# Altium PCB ASM001-design.PcbDoc (part 2 of 2)
Units mm, origin at the board's own origin, x right, y up, seen from the top; angles counter-clockwise.
Board outline 100 x 100 mm, 6 copper layers (L0, L2, L4, L6, L8, L10), stack 1.538 mm thick; 65 components, 48 nets, 529 pads, 2 vias.
Unrouted connection lines stored in the file: 163.
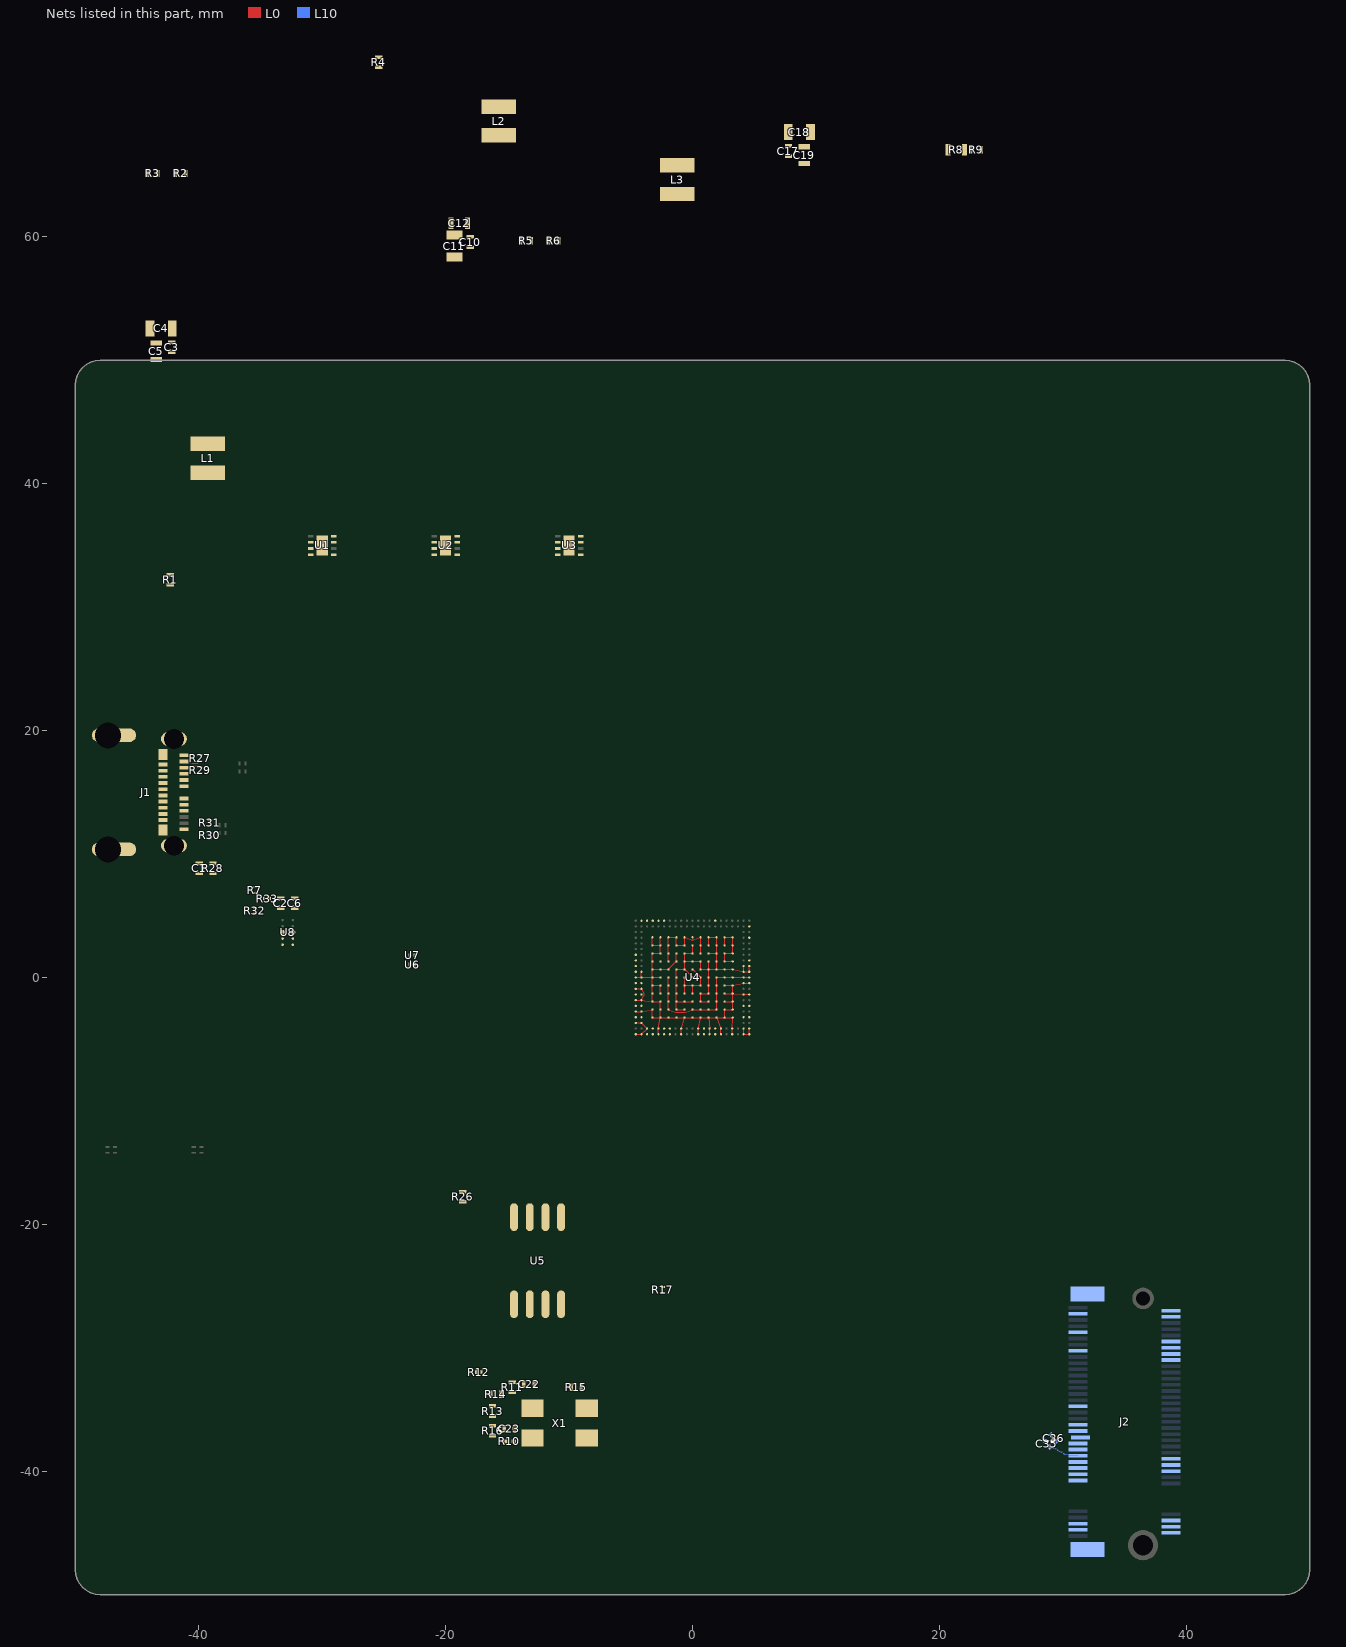
[diagram p5: the nets of this part, all layers, seen from the top]

## Part data (continued)
R10: Manufacturer=YAGEO, Maximum Power=0.05W, MPN=RC0201JR-070RL, Resistance=0R, Datasheet=https://www.lcsc.com/datasheet/lcsc_datasheet_2304140030_YAGEO-RC0201JR-070RL_C106228.pdf, Reference=false
R11 R14 R15 R16: case=0402, Manufacturer=VO, manufacturer_aliases="[\"VO\"]", MPN=SCR0402F4K7, mpn_aliases="[\"SCR0402F4K7\"]", Resistance=4700.0, resistor=true, Tolerance="Toleranced(4653.0 <= 4700.0 <= 4747.0)", vendor_part_numbers.lcsc=C3015810, area=0.5, category=resistor, cofactr_id=RC99FREJ1KLN, Datasheet=https://wmsc.lcsc.com/wmsc/upload/file/pdf/v2/lcsc/2206021130_VO-SCR0402F4K7_C3015810.pdf, metadata.description="±1% 4.7kΩ 0402  Chip Resistor - Surface Mount ROHS", minimum_quantity=20, mounting=smd, Price=0.000405797, query-properties="[\"case\" => [\"0201\" \"0402\"] \"resistance\" => 4700.0 \"tolerance\" => 0.01 \"category\" => \"resistor\" \"mounting\" => \"smd\" \"min-stock\" => 1 \"_sellers\" => [\"JLCPCB\"]]", Reference=false, reference_prefix=R, stock=1006, trust=low, x=0.5, y=1.0
R12: case=0201, Manufacturer=Sunway, manufacturer_aliases="[\"Sunway\"]", Maximum Power=0.05W, MPN=SC0201F1003G1BNRH, mpn_aliases="[\"SC0201F1003G1BNRH\"]", rated-power=0.05, Resistance=100000.0, resistor=true, Tolerance="Toleranced(99000.0 <= 100000.0 <= 101000.0)", vendor_part_numbers.lcsc=C3152012, area=0.18, category=resistor, Datasheet=https://datasheet.lcsc.com/lcsc/2207281830_Sunway-SC0201F1003G1BNRH_C3152012.pdf, metadata.description="50mW ±1% ±200ppm/℃ 100kΩ 0201  Chip Resistor - Surface Mount ROHS", minimum_quantity=20, mounting=smd, Price=0.000463768, query-properties="[\"case\" => [\"0201\" \"0402\"] \"resistance\" => 100000.0 \"tolerance\" => 0.01 \"category\" => \"resistor\" \"mounting\" => \"smd\" \"min-stock\" => 1 \"_sellers\" => [\"JLCPCB\"]]", Reference=false, reference_prefix=R, stock=11487, trust=low, x=0.3, y=0.6
R13: case=0402, Manufacturer="Walsin Technology Corporation", manufacturer_aliases="[\"Walsin Technology Corporation\"]", Maximum Power=0.063W, metadata.supplier-device-package=402, MPN=WR04X1212FTL, mpn_aliases="[\"WR04X1212FTL\"]", rated-power=0.063, rated-temperature="Toleranced(-55.0 <= 50.0 <= 155.0)", Resistance=12100.0, resistor=true, Tolerance="Toleranced(11979.0 <= 12100.0 <= 12221.0)", area=0.5, category=resistor, cofactr_id=XX5RG112LRR9, Composition=thick-film, Datasheet=https://www.lcsc.com/datasheet/lcsc_datasheet_2304140030_Walsin-Tech-Corp-WR04X1212FTL_C168199.pdf, metadata.description="62.5mW Thick Film Resistors ±100ppm/℃ ±1% 12.1kΩ 0402  Chip Resistor - Surface Mount ROHS", metadata.number-of-terminations=2.0, metadata.packaging="Tape & Reel (TR)", minimum_quantity=20, mounting=smd, Price=0.000362319, query-properties="[\"tolerance\" => 0.01 \"case\" => [\"0201\" \"0402\"] \"resistance\" => 12100.0 \"category\" => \"resistor\" \"mounting\" => \"smd\" \"min-stock\" => 1 \"_sellers\" => [\"JLCPCB\"]]", Reference=false, reference_prefix=R, stock=3370, TCR="[-0.0001 0.0001]", trust=low, Type=chip, vendor_part_numbers.digi-key=1292-WR04X1212FTLTR-ND, vendor_part_numbers.lcsc=C168199, x=0.5, y=1.0
TXT1: Manufacturer=non-BOM, MPN="ASM2464PDX 4x M.2 board | Version 0.2 2025-02-07", rated-temperature=false, Reference=false
U1 U2 U3: Manufacturer="Texas Instruments", MPN=TPS62082DSG, adjustable=false, Datasheet=https://www.ti.com/lit/ds/symlink/tps62080.pdf, I-LIM="Toleranced(1.6 <= 2.8 <= 4.0)", I-REF="Toleranced(1.0e-008 <= 1.0e-008 <= 1.0e-007)", R-Discharge="Toleranced(1000.0 <= 1000.0 <= 1000.0)", Reference=false, V-REF="Toleranced(0.438 <= 0.45 <= 0.462)", Vin-MAX=6.0, Vin-MIN=2.3, Vout-MAX=4.0, Vout-MIN=0.5
U4: MPN=ASM2464PDX, Reference=false
U5: case=SOIC-8-208mil, Manufacturer=Winbond, manufacturer_aliases="[\"Winbond Elec\"]", MPN=W25Q32JVSSIQ, mpn_aliases="[\"W25Q32JVSSIQ\"]", area=51.113, category=ic, cofactr_id=XX0QC6Y2U3XH, Datasheet=https://www.lcsc.com/datasheet/lcsc_datasheet_1811101814_Winbond-Elec-W25Q32JVSSIQ_C82344.pdf, mounting=through-hole, Reference=false, reference_prefix=U, trust=low, x=5.43, y=9.413
U6 U7: case=WLL-2-3, Manufacturer=Infineon, manufacturer_aliases="[\"Infineon Technologies\"]", MPN="ESD132-B1-W0201 E6327", mpn_aliases="[\"ESD132-B1-W0201 E6327\"]", area=0.84, category=ic, cofactr_id=XXRARWCT0RJE, Datasheet=https://www.lcsc.com/datasheet/lcsc_datasheet_2005291706_Infineon-Technologies-ESD132-B1-W0201-E6327_C535164.pdf, Reference=false, reference_prefix=U, trust=low, x=1.102, y=0.762
U8: Manufacturer="Texas Instruments", MPN=ESD224DQAR, num-dp-chs=2, num-single-chs=4, Reference=false
X1: case=SMD6036-4P, Manufacturer=ABRACON, manufacturer_aliases="[\"Abracon LLC\"]", MPN=ABMM2-25.000MHZ-D1-T, mpn_aliases="[\"ABMM2-25.000MHZ-D1-T\"]", area=24.584, category=resonator, cofactr_id=OSDU487NIJMB, Datasheet=https://wmsc.lcsc.com/wmsc/upload/file/pdf/v2/lcsc/2304140030_Abracon-LLC-ABMM2-25-000MHZ-D1-T_C1985419.pdf, mounting=smd, Reference=false, reference_prefix=X, trust=low, x=6.302, y=3.901

## Via types
v1: diameter 0.45, hole 0.3, L0 to L10, tented both sides, 2 vias

## Nets (pads, with @x,y where several pads share a name; then routed paths per layer and width w, separated by ;. In a path a pad name is that pad's centre, name@x,y a point inside that pad or via, vN(x,y) a via of type N, cw(c..) or ccw(c..) an arc to the next point about the centre after c; other vN are vias at no path point)
asm2464pdx_usb-c_data_N: J1.A7 J1.B7 U4.M2 U7.1 U7.2 U8.5 U8.6
asm2464pdx_usb-c_data_P: J1.A6 J1.B6 U4.M1 U6.1 U6.2 U8.4 U8.7
asm2464pdx_usb-c_lane0_RX_N: J1.B10 R7.1 U4.P2
asm2464pdx_usb-c_lane0_RX_P: J1.B11 R17.1 U4.P1
asm2464pdx_usb-c_lane0_TX_N: J1.A3 R29.1 U4.T2 | length 1.3
  L0 w0.09: J1.A3@-41.203,17 -41.03,17 -40.527,17.156 ; -40.462,17.16 -40.118,17.16 -40.024,17.066 -39.912,17.066 R29.1@-39.878,17.032
asm2464pdx_usb-c_lane0_TX_P: J1.A2 R27.1 U4.T1 | length 1.5
  L0 w0.09: J1.A2@-41.203,17.5 -41.03,17.5 -40.549,17.351 -40.522,17.347 -40.075,17.347 -39.998,17.424 -39.998,17.51 -39.964,17.544 R27.1@-39.878,17.544
asm2464pdx_usb-c_lane1_RX_N: J1.B3 R33.1 U4.V1
asm2464pdx_usb-c_lane1_RX_P: J1.B2 R32.1 U4.V2
FB: R5.2 R6.1 U2.4
IC_SW_FB: R8.2 R9.1 U3.4
NetC1_1: C1.1 J1.M1 J1.M2 J1.M3 J1.M4 R28.1
NetC1_2: C1.2 C2.2 C3.1 C3.2 C4.1 C4.2 C5.1 C5.2 C6.2 C10.1 C10.2 C11.1 C11.2 C12.1 C12.2 C17.1 C17.2 C18.1 C18.2 C19.1 C19.2 C22.2 J1.A1 J1.A4 J1.A9 J1.A12 J1.B1 J1.B4 J1.B9 J1.B12 J2.3 J2.9 J2.15 J2.33 J2.39 J2.45 J2.51 J2.57 J2.71 J2.73 J2.MP1 J2.MP2 L1.a L2.a L3.a R1.2 R2.1 R3.2 R4.2 R5.1 R6.2 R7.2 R8.1 R9.2 R10.1 R11.2 R12.2 R13.2 R14.2 R15.2 R16.2 R17.2 R26.2 R27.2 R28.2 R29.2 R30.2 R31.2 R32.2 R33.2 U1.2 U1.5 U1.8 U1.9 U2.2 U2.5 U2.8 U2.9 U3.2 U3.5 U3.8 U3.9 U4.AA1 U4.AA2 U4.AA5 U4.AA9 U4.AA12 U4.AA14 U4.AA16 U4.AA18 U4.AA20 U4.AA21 U4.D4 U4.D5 U4.D6 U4.D8 U4.D9 U4.D11 U4.D13 U4.D14 U4.D16 U4.D17 U4.D18 U4.E4 U4.E5 U4.E6 U4.E8 U4.E9 U4.E11 U4.E13 U4.E14 U4.E16 U4.E17 U4.E18 U4.F4 U4.F5 U4.F6 U4.F8 U4.F9 U4.F11 U4.F13 U4.F14 U4.F16 U4.F17 U4.F18 U4.G1 U4.H4 U4.H6 U4.H8 U4.H9 U4.H11 U4.H13 U4.H14 U4.H16 U4.H17 U4.H18 U4.J4 U4.J5 U4.J6 U4.J8 U4.J9 U4.J11 U4.J13 U4.J14 U4.J16 U4.J17 U4.J18 U4.J20 U4.J21 U4.K2 U4.K20 U4.K21 U4.L1 U4.L2 U4.L4 U4.L5 U4.L6 U4.L8 U4.L9 U4.L11 U4.L13 U4.L14 U4.L16 U4.L17 U4.L18 U4.L20 U4.L21 U4.M20 U4.M21 U4.N1 U4.N2 U4.N4 U4.N5 U4.N6 U4.N8 U4.N9 U4.N11 U4.N13 U4.N14 U4.N16 U4.N17 U4.N18 U4.P4 U4.P5 U4.P6 U4.P8 U4.P9 U4.P11 U4.P13 U4.P14 U4.P16 U4.P17 U4.P18 U4.P20 U4.P21 U4.R1 U4.R2 U4.T4 U4.T5 U4.T6 U4.T8 U4.T9 U4.T11 U4.T13 U4.T14 U4.T16 U4.T17 U4.T18 U4.T20 U4.T21 U4.U1 U4.U2 U4.U4 U4.U5 U4.U6 U4.U8 U4.U9 U4.U11 U4.U13 U4.U14 U4.U16 U4.U17 U4.U18 U4.V4 U4.V5 U4.V6 U4.V8 U4.V9 U4.V11 U4.V13 U4.V14 U4.V16 U4.V17 U4.V18 U4.V20 U4.V21 U4.W1 U4.W2 U4.Y3 U4.Y5 U4.Y9 U4.Y12 U4.Y14 U4.Y16 U4.Y18 U4.Y20 U4.Y21 U5.4 U5.8 U8.3 U8.8 X1.2 X1.4 | length 100.6
  L0 w0.09: U4.AA1@-4.6,-4.6 U4.AA2@-4.14,-4.6 U4.Y3@-3.68,-4.14 U4.W2@-4.14,-3.68 U4.W1@-4.6,-3.68 ; U4.U1@-4.6,-2.76 U4.U2@-4.14,-2.76 U4.U4@-3.25,-2.6 U4.V4@-3.25,-3.25 U4.V5@-2.6,-3.25 ; U4.R1@-4.6,-1.84 U4.R2@-4.14,-1.84 ; U4.N1@-4.6,-0.92 U4.N2@-4.14,-0.92 -3.944,-1.27 cw(c-4.14,-1.38) -3.944,-1.49 U4.R2@-4.14,-1.84 ; U4.L1@-4.6,0 U4.L2@-4.14,0 ; U4.K2@-4.14,0.46 U4.L2@-4.14,0 ; U4.D4@-3.25,3.25 U4.E4@-3.25,2.6 U4.E5@-2.6,2.6 ; U4.AA5@-2.76,-4.6 U4.Y5@-2.76,-4.14 U4.V5@-2.6,-3.25 ; U4.P5@-2.6,-1.3 U4.N5@-2.6,-0.65 U4.N4@-3.25,-0.65 ; U4.L5@-2.6,0 U4.L4@-3.25,0 ; U4.D5@-2.6,3.25 U4.E5@-2.6,2.6 ; U4.L6@-1.95,0 U4.N6@-1.95,-0.65 U4.P6@-1.95,-1.3 U4.T6@-1.95,-1.95 U4.U6@-1.95,-2.6 -1.378,-2.811 ccw(c-1.3,-2.6) -1.3,-2.825 -0.65,-2.825 ccw(c-0.65,-2.6) -0.572,-2.811 U4.U11@0,-2.6 U4.U13@0.65,-2.6 U4.U14@1.3,-2.6 U4.U16@1.95,-2.6 U4.T16@1.95,-1.95 U4.P16@1.95,-1.3 U4.N16@1.95,-0.65 U4.L16@1.95,0 U4.L17@2.6,0 U4.L18@3.25,0 U4.L20@4.14,0 U4.L21@4.6,0 ; U4.H6@-1.95,1.3 U4.F6@-1.95,1.95 U4.E6@-1.95,2.6 U4.D6@-1.95,3.25 U4.D8@-1.3,3.25 U4.E8@-1.3,2.6 U4.E9@-0.65,2.6 U4.D9@-0.65,3.25 -0.078,3.039 ccw(c0,3.25) 0.078,3.039 U4.D13@0.65,3.25 U4.E13@0.65,2.6 U4.F13@0.65,1.95 ; U4.F8@-1.3,1.95 U4.H8@-1.3,1.3 U4.J6@-1.95,0.65 U4.J5@-2.6,0.65 U4.J4@-3.25,0.65 ; U4.AA9@-0.92,-4.6 U4.Y9@-0.92,-4.14 U4.V9@-0.65,-3.25 ; U4.U9@-0.65,-2.6 U4.U8@-1.3,-2.6 U4.T8@-1.3,-1.95 ; U4.P9@-0.65,-1.3 U4.N9@-0.65,-0.65 ; U4.L9@-0.65,0 U4.N9@-0.65,-0.65 ; U4.T11@0,-1.95 U4.T9@-0.65,-1.95 U4.T8@-1.3,-1.95 ; U4.P11@0,-1.3 U4.N11@0,-0.65 ; U4.L11@0,0 U4.J9@-0.65,0.65 ; U4.J11@0,0.65 U4.L13@0.65,0 U4.N13@0.65,-0.65 U4.N11@0,-0.65 ; U4.E11@0,2.6 U4.F11@0,1.95 U4.F9@-0.65,1.95 U4.H9@-0.65,1.3 ; U4.AA12@0.46,-4.6 U4.Y12@0.46,-4.14 U4.V13@0.65,-3.25 ; U4.T14@1.3,-1.95 U4.T13@0.65,-1.95 U4.P13@0.65,-1.3 U4.P14@1.3,-1.3 U4.N14@1.3,-0.65 U4.L14@1.3,0 U4.J14@1.3,0.65 ; U4.H14@1.3,1.3 U4.J14@1.3,0.65 ; U4.F14@1.3,1.95 U4.F16@1.95,1.95 ; U4.E14@1.3,2.6 U4.D14@1.3,3.25 U4.D16@1.95,3.25 U4.E16@1.95,2.6 U4.F16@1.95,1.95 ; U4.AA14@1.38,-4.6 U4.Y14@1.38,-4.14 U4.V14@1.3,-3.25 ; U4.AA16@2.3,-4.6 U4.Y16@2.3,-4.14 U4.V16@1.95,-3.25 ; U4.T17@2.6,-1.95 U4.T18@3.25,-1.95 ; U4.P17@2.6,-1.3 U4.P18@3.25,-1.3 ; U4.N17@2.6,-0.65 U4.N18@3.25,-0.65 ; U4.E17@2.6,2.6 U4.D17@2.6,3.25 U4.D18@3.25,3.25 U4.E18@3.25,2.6 U4.F18@3.25,1.95 U4.F17@2.6,1.95 U4.H17@2.6,1.3 U4.H18@3.25,1.3 ; U4.AA18@3.22,-4.6 U4.Y18@3.22,-4.14 U4.V18@3.25,-3.25 U4.V17@2.6,-3.25 ; U4.Y20@4.14,-4.14 U4.AA20@4.14,-4.6 U4.AA21@4.6,-4.6 U4.Y21@4.6,-4.14 ; U4.J20@4.14,0.92 U4.K20@4.14,0.46 ; U4.P21@4.6,-1.38 U4.P20@4.14,-1.38 U4.P18@3.25,-1.3 ; U4.M21@4.6,-0.46 U4.M20@4.14,-0.46 U4.N18@3.25,-0.65 ; U4.J21@4.6,0.92 U4.K21@4.6,0.46 U4.K20@4.14,0.46 ; U4.R2@-4.14,-1.84 U4.T4@-3.25,-1.95 ; U4.L2@-4.14,0 U4.L4@-3.25,0 ; U4.T4@-3.25,-1.95 U4.T5@-2.6,-1.95 U4.U5@-2.6,-2.6 U4.V5@-2.6,-3.25 ; U4.T4@-3.25,-1.95 U4.P4@-3.25,-1.3 U4.N4@-3.25,-0.65 ; U4.N4@-3.25,-0.65 U4.L4@-3.25,0 ; U4.L4@-3.25,0 U4.J4@-3.25,0.65 ; U4.J4@-3.25,0.65 U4.H4@-3.25,1.3 U4.F4@-3.25,1.95 U4.F5@-2.6,1.95 U4.E5@-2.6,2.6 ; U4.V5@-2.6,-3.25 U4.V6@-1.95,-3.25 U4.V8@-1.3,-3.25 U4.V9@-0.65,-3.25 ; U4.T8@-1.3,-1.95 U4.P8@-1.3,-1.3 U4.N8@-1.3,-0.65 U4.L8@-1.3,0 U4.J8@-1.3,0.65 U4.J9@-0.65,0.65 ; U4.V9@-0.65,-3.25 U4.V11@0,-3.25 U4.V13@0.65,-3.25 ; U4.N9@-0.65,-0.65 U4.N11@0,-0.65 ; U4.J9@-0.65,0.65 U4.H9@-0.65,1.3 ; U4.H9@-0.65,1.3 U4.H11@0,1.3 U4.H13@0.65,1.3 U4.J13@0.65,0.65 U4.J14@1.3,0.65 ; U4.V13@0.65,-3.25 U4.V14@1.3,-3.25 ; U4.V14@1.3,-3.25 U4.V16@1.95,-3.25 ; U4.J14@1.3,0.65 U4.J16@1.95,0.65 ; U4.V16@1.95,-3.25 U4.V17@2.6,-3.25 ; U4.J16@1.95,0.65 U4.H16@1.95,1.3 U4.F16@1.95,1.95 ; U4.J16@1.95,0.65 U4.J17@2.6,0.65 U4.J18@3.25,0.65 U4.K20@4.14,0.46 ; U4.V17@2.6,-3.25 U4.U17@2.6,-2.6 U4.U18@3.25,-2.6 U4.T18@3.25,-1.95 ; U4.T18@3.25,-1.95 U4.P18@3.25,-1.3 ; U4.P18@3.25,-1.3 U4.N18@3.25,-0.65
NetC2_1: C2.1 J1.A5 U4.AA6
NetC6_1: C6.1 J1.B5 U4.Y6
NetC22_1: C22.1 R12.1 U4.H1
NetC23_1: C23.1 U4.AA4 X1.1
NetC23_2: C23.2 U4.Y4 X1.3
NetC35_1: C35.1 U4.Y15 | length 0.5
  L10 w0.09: 28.48,-37.081 cw(c28.41,-37.138) 28.5,-37.138 C35.1@28.499,-37.531
NetC36_1: C36.1 U4.AA15 | length 0.5
  L10 w0.09: 28.618,-36.965 ccw(c28.686,-36.907) 28.671,-36.995 C36.1@29.058,-37.062
NetJ1_A8: J1.A8 U4.K1
NetJ1_B8: J1.B8 U4.J1
NetJ2_50: J2.50 U4.D21
NetJ2_52: J2.52 U4.A15
NetJ2_53: J2.53 U4.Y7
NetJ2_54: J2.54 U4.A6
NetJ2_55: J2.55 U4.AA7
NetR1_1: R1.1 U3.3
NetR4_1: R4.1 U2.3
NetR10_2: R10.2 U4.H5
NetR11_1: R11.1 U4.B21
NetR13_1: R13.1 U4.AA3
NetR14_1: R14.1 U4.H21
NetR15_1: R15.1 U5.3
NetR16_1: R16.1 U5.7
NetR26_1: R26.1 U1.3
NetU4_A2: U4.A2 U5.1
NetU4_A3: U4.A3 U5.2
NetU4_A4: U4.A4 U5.5
NetU4_A5: U4.A5 U5.6
NetU4_AA13: U4.AA13
src-ep1_data_lane0_RX_P: J2.41 U4.Y13
SW-NODE: L3.c U3.7
SW-NODE1: L1.c U1.7
SW-NODE2: L2.c U2.7
SW_FB: R2.2 R3.1 U1.4
V_3V3: J2.2 J2.4 J2.12 J2.14 J2.16 J2.18 J2.70 J2.72 J2.74
X_B_N: C36.2 J2.43
X_B_P: C35.2 J2.47 J2.49 | length 2.2
  L10 w0.09: C35.2@28.931,-38.046 29.42,-38.192 cw(c29.395,-38.278) 29.452,-38.209 ; 29.53,-38.274 ccw(c29.703,-38.067) 29.599,-38.316 29.924,-38.451 cw(c29.889,-38.534) 29.953,-38.47 ; 30.026,-38.543 ccw(c30.215,-38.35) 30.181,-38.618 J2.49@31.225,-38.75
pads on no net: C7.1 C7.2 C8.1 C8.2 C9.1 C9.2 C13.1 C13.2 C14.1 C14.2 C15.1 C15.2 C16.1 C16.2 C20.1 C20.2 J1.A10 J1.A11 J2.1 J2.5 J2.6 J2.7 J2.8 J2.10 J2.11 J2.13 J2.17 J2.19 J2.20 J2.21 J2.22 J2.23 J2.24 J2.25 J2.26 J2.27 J2.28 J2.29 J2.30 J2.31 J2.32 J2.34 J2.35 J2.36 J2.37 J2.38 J2.40 J2.42 J2.44 J2.46 J2.48 J2.56 J2.58 J2.67 J2.68 J2.69 J2.75 J2.MH1 J2.MH2 R30.1 R31.1 U1.1 U1.6 U2.1 U2.6 U3.1 U3.6 U4.A1 U4.A7 U4.A8 U4.A9 U4.A10 U4.A11 U4.A12 U4.A13 U4.A14 U4.A16 U4.A17 U4.A18 U4.A19 U4.A20 U4.A21 U4.AA8 U4.AA10 U4.AA11 U4.AA17 U4.AA19 U4.B1 U4.B2 U4.B3 U4.B4 U4.B5 U4.B6 U4.B7 U4.B8 U4.B9 U4.B10 U4.B11 U4.B12 U4.B13 U4.B14 U4.B15 U4.B16 U4.B17 U4.B18 U4.B19 U4.B20 U4.C1 U4.C2 U4.C20 U4.C21 U4.D1 U4.D2 U4.D20 U4.E1 U4.E2 U4.E20 U4.E21 U4.F1 U4.F2 U4.F20 U4.F21 U4.G2 U4.G20 U4.G21 U4.H2 U4.H20 U4.J2 U4.N20 U4.N21 U4.R20 U4.R21 U4.U20 U4.U21 U4.W20 U4.W21 U4.Y1 U4.Y2 U4.Y8 U4.Y10 U4.Y11 U4.Y17 U4.Y19 U8.1 U8.2 U8.9 U8.10
copper on no net: | length 95.4
  L0 w0.09: -41.203,13 -41.03,13 -40.527,12.844 ; -41.03,12.5 -40.527,12.656 cw(c-40.5,12.57) -40.501,12.66 ; -40.4,12.66 cw(c-40.4,12.57) -40.334,12.631 -39.763,12.01 ccw(c-39.565,12.193) -39.565,11.923 ; -40.399,12.84 cw(c-40.4,12.57) -40.201,12.753 -39.631,12.132 ccw(c-39.565,12.193) -39.565,12.103 ; -39.464,11.923 cw(c-39.465,11.833) -39.42,11.911 -39.12,11.739 -38.82,11.911 cw(c-38.775,11.833) -38.776,11.923 ; -39.464,12.103 ccw(c-39.465,12.193) -39.42,12.115 -39.12,12.287 -38.82,12.115 ccw(c-38.775,12.193) -38.776,12.103 ; -38.496,11.932 -38.455,11.932 -38.312,11.789 -38.312,11.704 ; -38.497,12.126 -38.434,12.126 -38.312,12.248 -38.312,12.334 ; -37.84,11.704 -37.644,11.902 cw(c-37.58,11.839) -37.58,11.929 ; -37.84,12.334 -37.84,12.248 -37.701,12.109 -37.633,12.109 ; -37.481,11.895 -37.447,11.895 -37.414,11.863 -22.89,11.863 ; -37.48,12.109 -37.416,12.109 -37.415,12.108 -37.409,12.108 -37.406,12.105 -37.402,12.105 -37.398,12.1 ; -37.397,12.1 -37.34,12.043 -22.824,12.043 ; -22.71,11.863 -6.562,-4.285 ; -22.697,12.17 -6.476,-4.051 -6.476,-4.112 ; -6.561,-4.285 -6.556,-4.29 -6.553,-4.29 -6.55,-4.293 -6.544,-4.293 -6.543,-4.294 -6.524,-4.294 -6.479,-4.339 ; -6.385,-4.107 -6.242,-4.107 cw(c-6.242,-4.197) -6.227,-4.109 -6.187,-4.116 ccw(c-6.171,-4.027) -6.173,-4.117 ; -6.299,-4.297 -4.609,-4.365 ccw(c-4.6,-4.14) -4.49,-4.336 -4.14,-4.14 ; -6.173,-4.117 -4.6,-4.14 ; 0,-4.6 0.432,-5.789 cw(c0.347,-5.82) 0.437,-5.819
  L0 w0.131: 25.533,-35.866 cw(c25.434,-35.927) 25.318,-35.917 25.326,-35.83 cw(c25.392,-35.835) 25.356,-35.779 25.585,-35.636 25.696,-35.566 cw(c25.785,-35.708) 25.701,-35.563 25.731,-35.546 cw(c25.764,-35.603) 25.774,-35.537 25.808,-35.542 cw(c25.785,-35.708) 25.857,-35.557 v1(26.987,-36.103) ; 25.73,-35.743 ccw(c25.828,-35.681) 25.759,-35.774 26.707,-36.48 ccw(c26.987,-36.103) 26.887,-36.562 v1(27.3,-36.652)
  L10 w0.09: 29.49,-37.577 29.537,-38.012 ccw(c29.626,-38.003) 29.568,-38.071 ; 29.645,-38.136 ccw(c29.703,-38.067) 29.668,-38.15 29.993,-38.285 cw(c29.889,-38.534) 30.08,-38.343 ; 30.151,-38.414 ccw(c30.215,-38.35) 30.231,-38.439 31.225,-38.25
  L10 w0.131: v1(26.987,-36.103) 27.367,-35.77 cw(c27.597,-36.032) 27.899,-35.858 27.9,-35.859 ; v1(27.3,-36.652) 27.433,-36.251 ccw(c26.987,-36.103) 27.448,-36.192 27.483,-36.01 cw(c27.597,-36.032) 27.698,-35.973

## Polygon pours and split planes (outlines as drawn)
no net on L0 "L0-No Net" (solid, pour order 20): 2.67,-4.665 2.794,-4.706 2.871,-4.6 2.794,-4.494 2.67,-4.535
NetC1_2 on L6 "L6-GND" (solid, pour order 23): -50,-48 -49.95,-48.445 -49.802,-48.868 -49.564,-49.247 -49.247,-49.564 -48.868,-49.802 -48.445,-49.95 -48,-50 48,-50 48.445,-49.95 48.868,-49.802 49.247,-49.564 49.564,-49.247 49.802,-48.868 49.95,-48.445 50,-48 50,48 49.95,48.445 49.802,48.868 49.564,49.247 49.247,49.564 48.868,49.802 48.445,49.95 48,50 -48,50 -48.445,49.95 -48.868,49.802 -49.247,49.564 -49.564,49.247 -49.802,48.868 -49.95,48.445 -50,48
NetC1_2 on L2 "L2-GND" (solid, pour order 22): -50,-48 -49.95,-48.445 -49.802,-48.868 -49.564,-49.247 -49.247,-49.564 -48.868,-49.802 -48.445,-49.95 -48,-50 48,-50 48.445,-49.95 48.868,-49.802 49.247,-49.564 49.564,-49.247 49.802,-48.868 49.95,-48.445 50,-48 50,48 49.95,48.445 49.802,48.868 49.564,49.247 49.247,49.564 48.868,49.802 48.445,49.95 48,50 -48,50 -48.445,49.95 -48.868,49.802 -49.247,49.564 -49.564,49.247 -49.802,48.868 -49.95,48.445 -50,48
NetC1_2 on L8 "L8-GND" (solid, pour order 21): -50,-48 -49.95,-48.445 -49.802,-48.868 -49.564,-49.247 -49.247,-49.564 -48.868,-49.802 -48.445,-49.95 -48,-50 48,-50 48.445,-49.95 48.868,-49.802 49.247,-49.564 49.564,-49.247 49.802,-48.868 49.95,-48.445 50,-48 50,48 49.95,48.445 49.802,48.868 49.564,49.247 49.247,49.564 48.868,49.802 48.445,49.95 48,50 -48,50 -48.445,49.95 -48.868,49.802 -49.247,49.564 -49.564,49.247 -49.802,48.868 -49.95,48.445 -50,48

## Other copper
L0:
  region: -38.573,11.884 -38.563,11.885 -38.554,11.887 -38.546,11.892 -38.539,11.898 -38.534,11.906 -38.53,11.915 -38.528,11.924 -38.528,11.933 -38.53,11.943 -38.534,11.951 -38.539,11.959 -38.546,11.965 -38.554,11.97 -38.563,11.973 -38.573,11.974 -38.673,11.974 -38.682,11.973 -38.691,11.97 -38.699,11.965 -38.706,11.959 -38.712,11.951 -38.715,11.943 -38.717,11.933 -38.717,11.924 -38.715,11.915 -38.712,11.906 -38.706,11.898 -38.699,11.892 -38.691,11.887 -38.682,11.885 -38.673,11.884
  region: 25.785,-35.708 25.75,-35.665 25.721,-35.63 25.714,-35.62 25.704,-35.612 25.693,-35.607 25.681,-35.603 25.669,-35.602 25.657,-35.604 25.645,-35.608 25.635,-35.615 25.626,-35.623 25.619,-35.634 25.614,-35.645 25.612,-35.657 25.613,-35.669 25.616,-35.681 25.621,-35.692 25.674,-35.777 25.682,-35.788 25.693,-35.797 25.705,-35.803 25.718,-35.807 25.732,-35.808 25.745,-35.806 25.758,-35.802 25.77,-35.794 25.78,-35.785 25.787,-35.773 25.792,-35.761 25.795,-35.747 25.794,-35.734 25.791,-35.72
  region: -37.58,11.884 -37.48,11.884 -37.471,11.885 -37.462,11.887 -37.453,11.892 -37.446,11.898 -37.441,11.906 -37.437,11.915 -37.435,11.924 -37.435,11.933 -37.437,11.943 -37.441,11.951 -37.446,11.959 -37.453,11.965 -37.462,11.97 -37.471,11.973 -37.48,11.974 -37.58,11.974 -37.589,11.973 -37.598,11.97 -37.606,11.965 -37.613,11.959 -37.619,11.951 -37.623,11.943 -37.625,11.933 -37.625,11.924 -37.623,11.915 -37.619,11.906 -37.613,11.898 -37.606,11.892 -37.598,11.887 -37.589,11.885
  region: -6.379,-4.339 -6.369,-4.338 -6.36,-4.335 -6.352,-4.33 -6.345,-4.324 -6.34,-4.316 -6.336,-4.308 -6.334,-4.299 -6.334,-4.289 -6.336,-4.28 -6.34,-4.271 -6.345,-4.264 -6.352,-4.257 -6.36,-4.253 -6.369,-4.25 -6.379,-4.249 -6.479,-4.249 -6.488,-4.25 -6.497,-4.253 -6.505,-4.257 -6.512,-4.264 -6.518,-4.271 -6.521,-4.28 -6.523,-4.289 -6.523,-4.299 -6.521,-4.308 -6.518,-4.316 -6.512,-4.324 -6.505,-4.33 -6.497,-4.335 -6.488,-4.338 -6.479,-4.339
  region: -38.775,11.878 -38.675,11.878 -38.666,11.879 -38.657,11.882 -38.649,11.887 -38.642,11.893 -38.636,11.901 -38.633,11.909 -38.631,11.918 -38.631,11.928 -38.633,11.937 -38.636,11.946 -38.642,11.953 -38.649,11.96 -38.657,11.964 -38.666,11.967 -38.675,11.968 -38.775,11.968 -38.785,11.967 -38.794,11.964 -38.802,11.96 -38.809,11.953 -38.814,11.946 -38.818,11.937 -38.82,11.928 -38.82,11.918 -38.818,11.909 -38.814,11.901 -38.809,11.893 -38.802,11.887 -38.794,11.882 -38.785,11.879
  region: -40.5,12.615 -40.4,12.615 -40.391,12.616 -40.382,12.619 -40.373,12.624 -40.366,12.63 -40.361,12.637 -40.357,12.646 -40.355,12.655 -40.355,12.665 -40.357,12.674 -40.361,12.682 -40.366,12.69 -40.373,12.696 -40.382,12.701 -40.391,12.704 -40.4,12.705 -40.5,12.705 -40.509,12.704 -40.518,12.701 -40.526,12.696 -40.533,12.69 -40.539,12.682 -40.543,12.674 -40.545,12.665 -40.545,12.655 -40.543,12.646 -40.539,12.637 -40.533,12.63 -40.526,12.624 -40.518,12.619 -40.509,12.616
  region: -39.465,11.878 -39.455,11.879 -39.446,11.882 -39.438,11.887 -39.431,11.893 -39.426,11.901 -39.422,11.909 -39.42,11.918 -39.42,11.928 -39.422,11.937 -39.426,11.946 -39.431,11.953 -39.438,11.96 -39.446,11.964 -39.455,11.967 -39.465,11.968 -39.565,11.968 -39.574,11.967 -39.583,11.964 -39.591,11.96 -39.598,11.953 -39.603,11.946 -39.607,11.937 -39.609,11.928 -39.609,11.918 -39.607,11.909 -39.603,11.901 -39.598,11.893 -39.591,11.887 -39.583,11.882 -39.574,11.879 -39.565,11.878
  region net asm2464pdx_usb-c_lane0_TX_N: -40.5,17.115 -40.4,17.115 -40.391,17.116 -40.382,17.119 -40.373,17.124 -40.366,17.13 -40.361,17.137 -40.357,17.146 -40.355,17.155 -40.355,17.165 -40.357,17.174 -40.361,17.182 -40.366,17.19 -40.373,17.196 -40.382,17.201 -40.391,17.204 -40.4,17.205 -40.5,17.205 -40.509,17.204 -40.518,17.201 -40.526,17.196 -40.533,17.19 -40.539,17.182 -40.543,17.174 -40.545,17.165 -40.545,17.155 -40.543,17.146 -40.539,17.137 -40.533,17.13 -40.526,17.124 -40.518,17.119 -40.509,17.116
  region: -37.58,12.154 -37.589,12.153 -37.598,12.15 -37.606,12.145 -37.613,12.139 -37.619,12.131 -37.623,12.123 -37.625,12.113 -37.625,12.104 -37.623,12.095 -37.619,12.086 -37.613,12.078 -37.606,12.072 -37.598,12.067 -37.589,12.065 -37.58,12.064 -37.48,12.064 -37.471,12.065 -37.462,12.067 -37.453,12.072 -37.446,12.078 -37.441,12.086 -37.437,12.095 -37.435,12.104 -37.435,12.113 -37.437,12.123 -37.441,12.131 -37.446,12.139 -37.453,12.145 -37.462,12.15 -37.471,12.153 -37.48,12.154
  region: -6.379,-4.069 -6.479,-4.069 -6.488,-4.07 -6.497,-4.073 -6.505,-4.077 -6.512,-4.084 -6.518,-4.091 -6.521,-4.1 -6.523,-4.109 -6.523,-4.119 -6.521,-4.128 -6.518,-4.136 -6.512,-4.144 -6.505,-4.15 -6.497,-4.155 -6.488,-4.158 -6.479,-4.159 -6.379,-4.159 -6.369,-4.158 -6.36,-4.155 -6.352,-4.15 -6.345,-4.144 -6.34,-4.136 -6.336,-4.128 -6.334,-4.119 -6.334,-4.109 -6.336,-4.1 -6.34,-4.091 -6.345,-4.084 -6.352,-4.077 -6.36,-4.073 -6.369,-4.07
  region: -38.775,12.148 -38.785,12.147 -38.794,12.144 -38.802,12.14 -38.809,12.133 -38.814,12.126 -38.818,12.117 -38.82,12.108 -38.82,12.098 -38.818,12.089 -38.814,12.081 -38.809,12.073 -38.802,12.067 -38.794,12.062 -38.785,12.059 -38.775,12.058 -38.675,12.058 -38.666,12.059 -38.657,12.062 -38.649,12.067 -38.642,12.073 -38.636,12.081 -38.633,12.089 -38.631,12.098 -38.631,12.108 -38.633,12.117 -38.636,12.126 -38.642,12.133 -38.649,12.14 -38.657,12.144 -38.666,12.147 -38.675,12.148
  region: -40.5,12.885 -40.509,12.884 -40.518,12.881 -40.526,12.876 -40.533,12.87 -40.539,12.862 -40.543,12.854 -40.545,12.845 -40.545,12.835 -40.543,12.826 -40.539,12.818 -40.533,12.81 -40.526,12.804 -40.518,12.799 -40.509,12.796 -40.5,12.795 -40.4,12.795 -40.391,12.796 -40.382,12.799 -40.373,12.804 -40.366,12.81 -40.361,12.817 -40.357,12.826 -40.355,12.835 -40.355,12.845 -40.357,12.854 -40.361,12.862 -40.366,12.87 -40.373,12.876 -40.382,12.881 -40.391,12.884 -40.4,12.885
  region: -39.465,12.148 -39.565,12.148 -39.574,12.147 -39.583,12.144 -39.591,12.14 -39.598,12.133 -39.603,12.126 -39.607,12.117 -39.609,12.108 -39.609,12.098 -39.607,12.089 -39.603,12.081 -39.598,12.073 -39.591,12.067 -39.583,12.062 -39.574,12.059 -39.565,12.058 -39.465,12.058 -39.455,12.059 -39.446,12.062 -39.438,12.067 -39.431,12.073 -39.426,12.081 -39.422,12.089 -39.42,12.098 -39.42,12.108 -39.422,12.117 -39.426,12.126 -39.431,12.133 -39.438,12.14 -39.446,12.144 -39.455,12.147
  region net asm2464pdx_usb-c_lane0_TX_P: -40.5,17.385 -40.509,17.384 -40.518,17.381 -40.526,17.376 -40.533,17.37 -40.539,17.363 -40.543,17.354 -40.545,17.345 -40.545,17.335 -40.543,17.326 -40.539,17.317 -40.533,17.31 -40.526,17.304 -40.518,17.299 -40.509,17.296 -40.5,17.295 -40.4,17.295 -40.391,17.296 -40.382,17.299 -40.373,17.304 -40.366,17.31 -40.361,17.317 -40.357,17.326 -40.355,17.335 -40.355,17.345 -40.357,17.354 -40.361,17.362 -40.366,17.37 -40.373,17.376 -40.382,17.381 -40.391,17.384 -40.4,17.385
  region: 25.477,-35.9 25.485,-35.911 25.496,-35.92 25.508,-35.926 25.521,-35.93 25.534,-35.931 25.548,-35.929 25.561,-35.924 25.572,-35.917 25.582,-35.908 25.59,-35.896 25.595,-35.884 25.598,-35.87 25.597,-35.857 25.594,-35.843 25.588,-35.831 25.535,-35.746 25.527,-35.737 25.518,-35.729 25.507,-35.723 25.495,-35.719 25.483,-35.719 25.471,-35.72 25.459,-35.724 25.449,-35.731 25.44,-35.739 25.433,-35.75 25.428,-35.761 25.426,-35.773 25.426,-35.786 25.429,-35.798 25.435,-35.809 25.454,-35.85
  region: -38.573,12.154 -38.673,12.154 -38.682,12.153 -38.691,12.15 -38.699,12.145 -38.706,12.139 -38.712,12.131 -38.715,12.123 -38.717,12.113 -38.717,12.104 -38.715,12.095 -38.712,12.086 -38.706,12.078 -38.699,12.072 -38.691,12.067 -38.682,12.065 -38.673,12.064 -38.573,12.064 -38.563,12.065 -38.554,12.067 -38.546,12.072 -38.539,12.078 -38.534,12.086 -38.53,12.095 -38.528,12.104 -38.528,12.113 -38.53,12.123 -38.534,12.131 -38.539,12.139 -38.546,12.145 -38.554,12.15 -38.563,12.153
  region: 0.662,-5.82 0.661,-5.811 0.659,-5.802 0.654,-5.793 0.648,-5.786 0.64,-5.781 0.631,-5.777 0.622,-5.775 0.613,-5.775 0.604,-5.777 0.595,-5.781 0.587,-5.786 0.581,-5.793 0.576,-5.802 0.573,-5.811 0.572,-5.82 0.572,-5.92 0.573,-5.929 0.576,-5.938 0.581,-5.946 0.587,-5.953 0.595,-5.959 0.604,-5.963 0.613,-5.965 0.622,-5.965 0.631,-5.963 0.64,-5.959 0.648,-5.953 0.654,-5.946 0.659,-5.938 0.661,-5.929 0.662,-5.92
  region: 0.392,-5.82 0.392,-5.92 0.393,-5.929 0.396,-5.938 0.401,-5.946 0.407,-5.953 0.415,-5.959 0.424,-5.963 0.433,-5.965 0.442,-5.965 0.451,-5.963 0.46,-5.959 0.468,-5.953 0.474,-5.946 0.479,-5.938 0.481,-5.929 0.482,-5.92 0.482,-5.82 0.481,-5.811 0.479,-5.802 0.474,-5.793 0.468,-5.786 0.46,-5.781 0.451,-5.777 0.442,-5.775 0.433,-5.775 0.424,-5.777 0.415,-5.781 0.407,-5.786 0.401,-5.793 0.396,-5.802 0.393,-5.811
L10:
  region: 27.641,-36.006 27.675,-36.051 27.702,-36.087 27.709,-36.097 27.718,-36.105 27.729,-36.111 27.741,-36.115 27.753,-36.117 27.765,-36.115 27.777,-36.112 27.788,-36.106 27.797,-36.097 27.804,-36.088 27.809,-36.076 27.812,-36.064 27.812,-36.052 27.809,-36.04 27.804,-36.029 27.755,-35.942 27.747,-35.931 27.737,-35.921 27.725,-35.914 27.712,-35.91 27.698,-35.909 27.685,-35.91 27.672,-35.914 27.66,-35.921 27.65,-35.93 27.642,-35.941 27.636,-35.953 27.633,-35.967 27.633,-35.981 27.636,-35.994
  region net X_B_P: 29.424,-38.244 29.5,-38.308 29.508,-38.314 29.517,-38.317 29.526,-38.319 29.535,-38.318 29.545,-38.316 29.553,-38.312 29.56,-38.306 29.566,-38.299 29.571,-38.291 29.573,-38.282 29.574,-38.272 29.573,-38.263 29.57,-38.254 29.565,-38.246 29.558,-38.239 29.482,-38.175 29.474,-38.17 29.465,-38.166 29.456,-38.165 29.446,-38.165 29.437,-38.167 29.429,-38.171 29.421,-38.177 29.415,-38.184 29.411,-38.193 29.408,-38.202 29.408,-38.211 29.409,-38.22 29.412,-38.229 29.417,-38.237
  region net X_B_P: 29.992,-38.573 29.999,-38.579 30.008,-38.583 30.017,-38.586 30.026,-38.586 30.035,-38.585 30.044,-38.581 30.052,-38.576 30.059,-38.57 30.064,-38.562 30.067,-38.553 30.069,-38.544 30.068,-38.534 30.066,-38.525 30.061,-38.517 30.056,-38.509 29.985,-38.439 29.978,-38.433 29.969,-38.429 29.96,-38.426 29.951,-38.426 29.941,-38.427 29.933,-38.431 29.925,-38.436 29.918,-38.442 29.913,-38.45 29.91,-38.459 29.908,-38.468 29.909,-38.478 29.911,-38.487 29.915,-38.495 29.921,-38.502
  region net NetC35_1: 28.445,-37.109 28.452,-37.116 28.46,-37.121 28.468,-37.124 28.478,-37.125 28.487,-37.124 28.496,-37.122 28.505,-37.117 28.512,-37.111 28.518,-37.104 28.522,-37.096 28.524,-37.086 28.524,-37.077 28.523,-37.068 28.519,-37.059 28.514,-37.051 28.45,-36.975 28.443,-36.968 28.435,-36.963 28.426,-36.96 28.417,-36.959 28.407,-36.959 28.398,-36.962 28.39,-36.966 28.383,-36.972 28.377,-36.98 28.373,-36.988 28.371,-36.997 28.37,-37.007 28.372,-37.016 28.375,-37.025 28.381,-37.032
  region: 29.597,-38.037 29.589,-38.032 29.581,-38.028 29.571,-38.027 29.562,-38.027 29.553,-38.029 29.544,-38.033 29.537,-38.039 29.531,-38.046 29.527,-38.055 29.524,-38.064 29.523,-38.073 29.525,-38.083 29.528,-38.091 29.533,-38.099 29.539,-38.106 29.616,-38.17 29.624,-38.176 29.632,-38.179 29.642,-38.181 29.651,-38.18 29.66,-38.178 29.669,-38.174 29.676,-38.168 29.682,-38.161 29.687,-38.153 29.689,-38.144 29.69,-38.134 29.689,-38.125 29.685,-38.116 29.68,-38.108 29.674,-38.101
  region: 30.183,-38.382 30.112,-38.312 30.105,-38.306 30.096,-38.301 30.087,-38.299 30.078,-38.298 30.069,-38.3 30.06,-38.303 30.052,-38.308 30.045,-38.315 30.04,-38.323 30.037,-38.332 30.035,-38.341 30.036,-38.35 30.038,-38.359 30.043,-38.368 30.048,-38.375 30.119,-38.446 30.126,-38.452 30.135,-38.456 30.144,-38.458 30.153,-38.459 30.163,-38.457 30.171,-38.454 30.179,-38.449 30.186,-38.442 30.191,-38.434 30.194,-38.426 30.196,-38.416 30.195,-38.407 30.193,-38.398 30.189,-38.39
  region net NetC36_1: 28.652,-36.936 28.587,-36.859 28.581,-36.852 28.573,-36.847 28.564,-36.844 28.555,-36.843 28.545,-36.844 28.536,-36.846 28.528,-36.851 28.521,-36.857 28.515,-36.864 28.511,-36.872 28.508,-36.882 28.508,-36.891 28.51,-36.9 28.513,-36.909 28.518,-36.917 28.583,-36.993 28.59,-37 28.598,-37.005 28.606,-37.008 28.616,-37.009 28.625,-37.009 28.634,-37.006 28.642,-37.002 28.65,-36.996 28.655,-36.988 28.66,-36.98 28.662,-36.971 28.662,-36.961 28.66,-36.952 28.657,-36.943
  region: 27.957,-35.827 27.949,-35.816 27.939,-35.806 27.927,-35.799 27.914,-35.795 27.9,-35.794 27.887,-35.795 27.874,-35.799 27.862,-35.806 27.852,-35.815 27.844,-35.826 27.838,-35.838 27.835,-35.852 27.835,-35.865 27.838,-35.879 27.843,-35.891 27.893,-35.978 27.9,-35.988 27.909,-35.997 27.92,-36.003 27.931,-36.007 27.944,-36.008 27.956,-36.007 27.968,-36.003 27.978,-35.997 27.987,-35.989 27.995,-35.979 28,-35.968 28.002,-35.956 28.003,-35.943 28,-35.931 27.995,-35.92 27.978,-35.878

## Silkscreen, mask and mechanical layers (free items; w line width, h text height)
Mechanical 1:
  text "0R" at -25.932,73.993 h0.3 r90
  text "26K1" at 21.083,67.736 h0.3
  text "22u" at 8.862,67.63 h0.3 r180
  text "4K12" at 22.666,67.561 h0.3
  text "4.7n" at 8.278,67.206 h0.3 r270
  text "10u" at 9.731,66.83 h0.3 r270
  text "4K3" at -43.501,64.631 h0.3 r180
  text "6K49" at -41.176,64.631 h0.3 r180
  text "10u" at -18.696,60.434 h0.3 r180
  text "13K3" at -13.778,60.19 h0.3
  text "4K12" at -11.537,60.19 h0.3
  text "4.7n" at -18.521,59.335 h0.3 r90
  text "22u" at -20.149,59.05 h0.3 r90
  text "22u" at -42.846,51.739 h0.3 r180
  text "4.7n" at -41.674,51.315 h0.3 r270
  text "10u" at -42.778,50.939 h0.3 r270
  text "0R" at -42.809,32.052 h0.3 r90
  text "470n" at -36.748,17.692 h0.3
  text "470n" at -36.748,17.062 h0.3
  text "200K" at -39.489,12.214 h0.3 r90
  text "470n" at -37.789,11.965 h0.3 r180
  text "200K" at -38.751,11.812 h0.3 r270
  text "470n" at -37.789,11.335 h0.3 r180
  text "0R" at -39.357,8.67 h0.3 r90
  text "4.7n" at -40.461,8.584 h0.3 r90
  text "200K" at -35.08,7.382 h0.3 r270
  text "200K" at -34.157,6.854 h0.3 r180
  text "200K" at -34.157,6.021 h0.3 r180
  text "2.2n" at -33.851,5.757 h0.3 r90
  text "2.2n" at -32.748,5.757 h0.3 r90
  text "200K" at -35.817,5.098 h0.3 r90
  text "200K" at -34.984,2.831 h0.3 r90
  text "220n" at -40.044,-13.68 h0.3 r270
  text "220n" at -39.414,-13.68 h0.3 r270
  text "220n" at -47.776,-14.25 h0.3 r90
  text "220n" at -47.146,-14.25 h0.3 r90
  text "0R" at -19.117,-17.926 h0.3 r90
  text "200K" at -2.035,-25.005 h0.3 r270
  text "100K" at -17.621,-31.602 h0.3
  text "1u" at -13.373,-32.435 h0.3
  text "4K7" at -9.64,-32.704 h0.3
  text "4K7" at -15.106,-33.419 h0.3 r90
  text "4K7" at -15.724,-34.276 h0.3 r180
  text "12K1" at -16.709,-35.399 h0.3 r90
  text "10p" at -15.055,-36.068 h0.3
  text "4K7" at -15.701,-36.498 h0.3 r270

## Text inside footprints (layer, text, board x,y; h text height)
TXT1: Bottom Overlay "ASM2464PDX 4x M.2 board | Version 0.2 2025-02-07" at 0,45 h1